# Altium PCB BLDC_v4.PcbDoc (part 2 of 2)
Units mm, origin at the board's own origin, x right, y up, seen from the top; angles counter-clockwise.
Board outline 87.47 x 56.26 mm, 4 copper layers (Top Layer, Layer 1, Layer 2, Bottom Layer), stack 1.369 mm thick; 153 components, 78 nets, 458 pads, 138 vias.
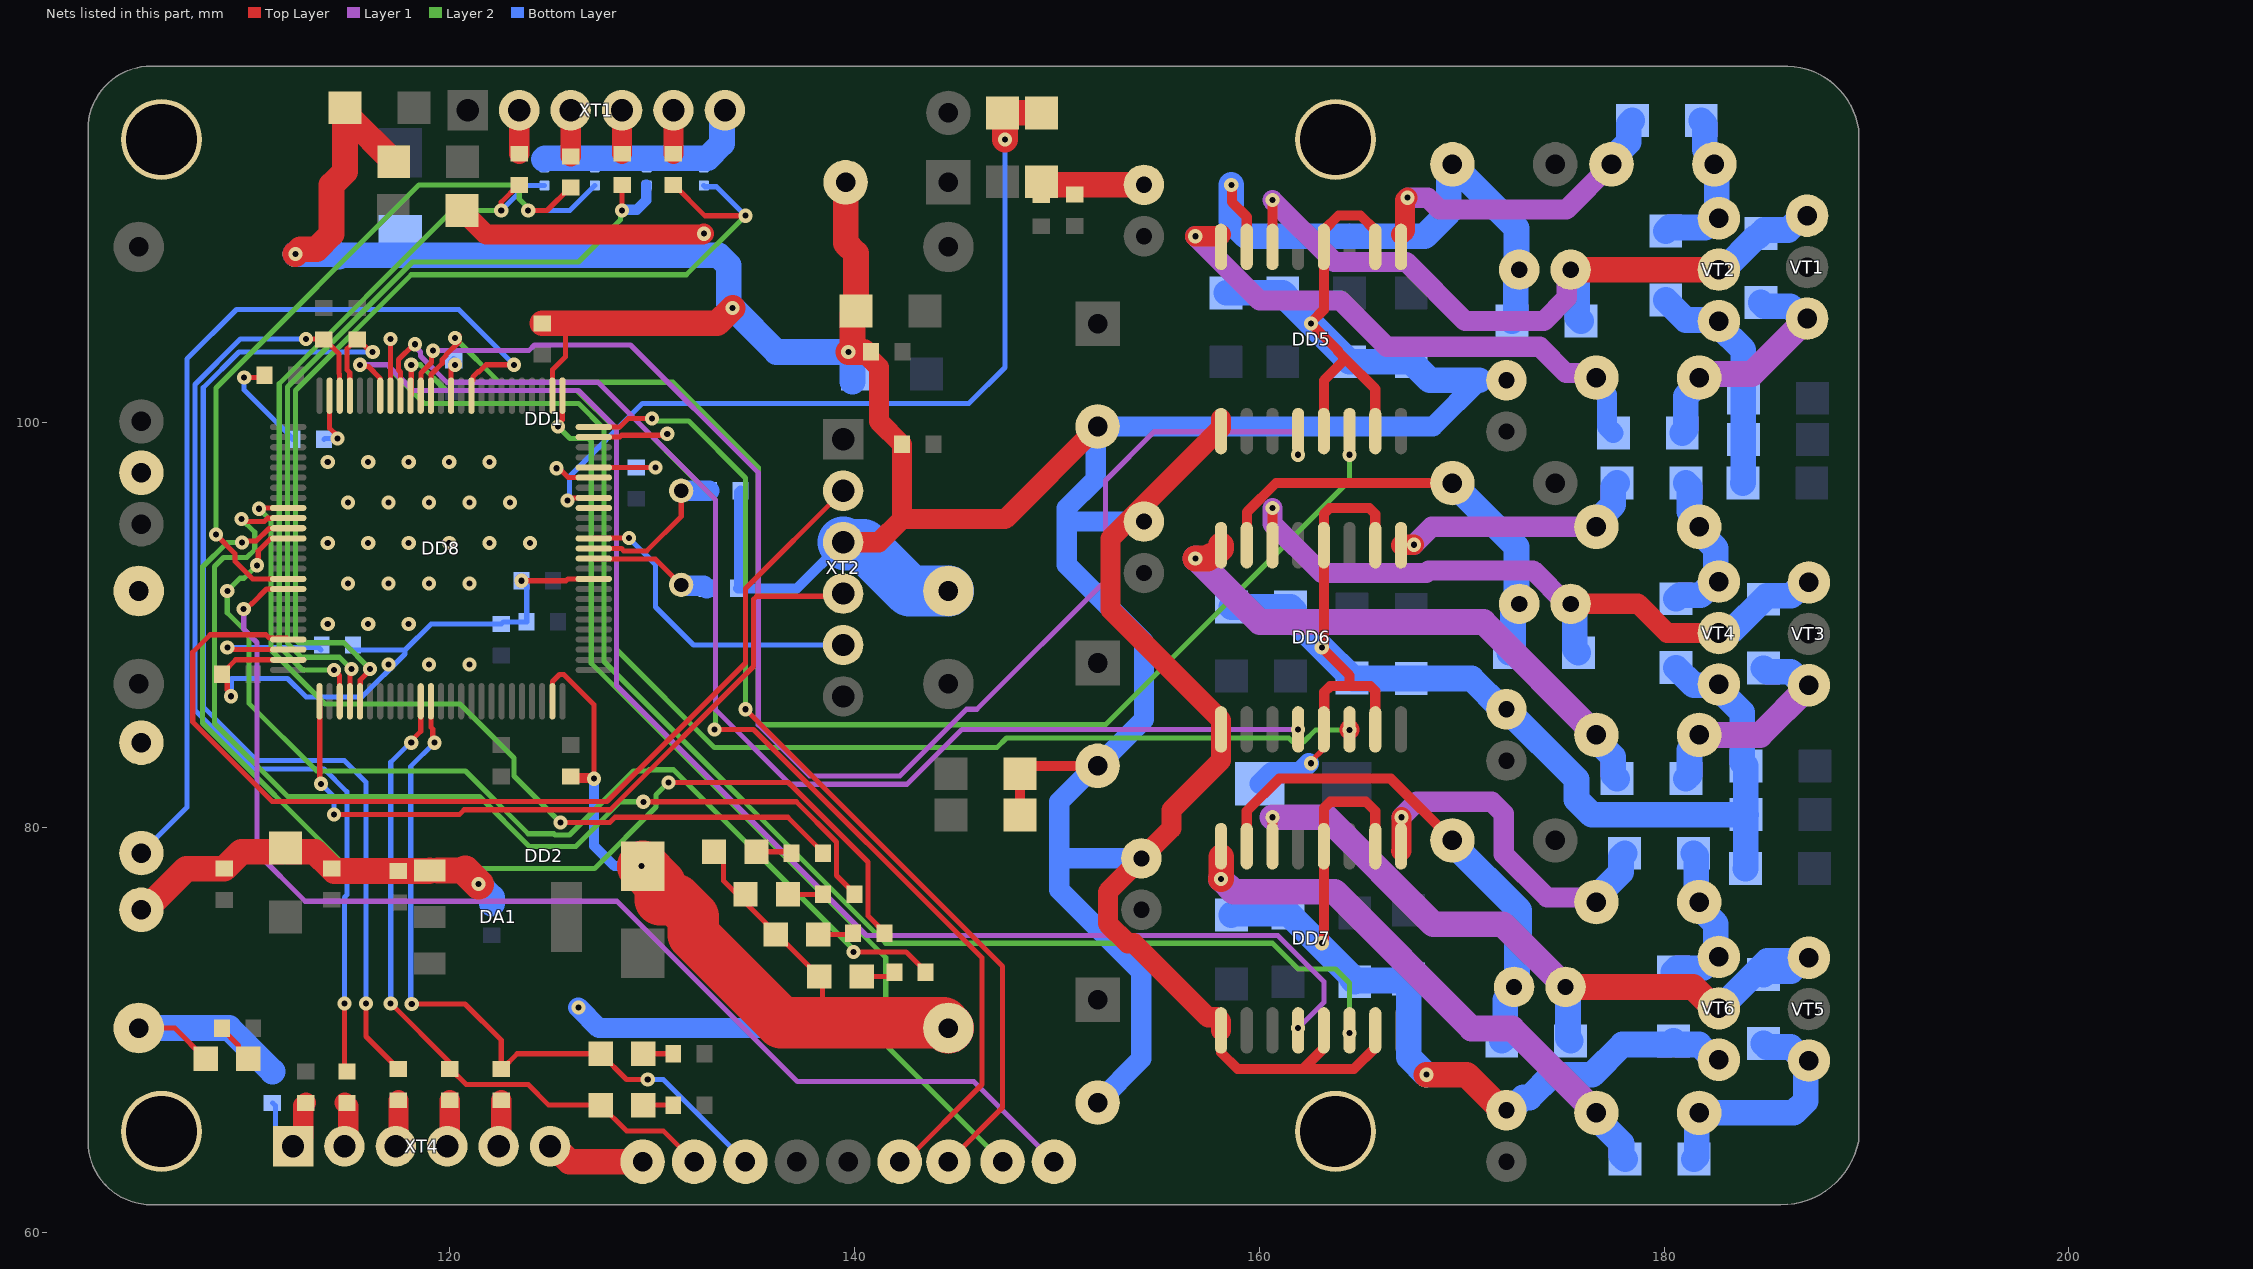
[diagram p4: the nets of this part, all layers, seen from the top]

## Via types
v1: diameter 0.7, hole 0.3, Top Layer to Bottom Layer, tented both sides, 135 vias
v2: diameter 0.7, hole 0.3, Top Layer to Bottom Layer, 3 vias

## Nets (pads, with @x,y where several pads share a name; then routed paths per layer and width w, separated by ;. In a path a pad name is that pad's centre, name@x,y a point inside that pad or via, vN(x,y) a via of type N, cw(c..) or ccw(c..) an arc to the next point about the centre after c; other vN are vias at no path point) (continued)
GND: C1.1 C2.2 C3.2 C4.1 C7.1 C8.2 C9.1 C10.2 C13.1 C14.2 C15.1 C16.2 C19.1 C20.2 C21.2 C22.1 C23.2 C24.1 C25.2 C26.1 C27.1 C28.1 C29.1 C30.1 C31.1 C32.1 C33.1 C34.1 C35.1 C36.1 C37.1 C38.1 C39.1 C40.1 C41.1 C42.1 C43.1 C44.1 C45.1 C46.1 C47.1 C48.1 C49.1 C50.1 C51.1 C52.1 C53.2 C54.2 C55.1 C56.1 C57.1 C58.1 C59.1 C60.2 C62.1 D1.2 D2.2 D3.2 D4.2 D5.2 D7.2 D8.2 D9.2 D10.2 DA1.1 DD1.1 DD1.2 DD2.1 DD2.2 DD5.2 DD5.4 DD5.9 DD5.13 DD5.15 DD6.2 DD6.4 DD6.9 DD6.13 DD6.15 DD7.2 DD7.4 DD7.9 DD7.13 DD7.15 DD8.10 DD8.20 DD8.27 DD8.74 DD8.99 pad. R4.2 R8.2 R12.2 R18.1 R28.1 VD1.1 VD15.1 VD16.1 VT2.3 VT4.3 VT6.3 XP2.1 XP5.1 XP15.1 XP19.1 XT1.6 XT2.3 XT4.6 | length 556
  Top Layer w0.254: DD2.2@104.648,70.104 106.426,70.104 D4.2@107.95,68.58 ; C29.1@108.755,87.572 108.755,87.611 C29.1@108.828,87.684 ; C29.1@108.755,87.757 C29.1@108.828,87.684 ; v1(109.212,86.494) 109.212,86.614 109.021,86.805 109.021,87.49 108.847,87.665 C29.1@108.828,87.684 ; v1(109.855,102.235) 110.731,102.235 C30.1@110.858,102.362 ; DD8.74@112.028,88.296 109.44,88.296 C29.1@108.828,87.684 ; v1(123.558,92.202) 125.753,92.202 125.847,92.296 DD8.10@127.128,92.296 ; DD8.99@125.078,86.246 125.087,86.255 125.087,87.226 125.433,87.572 125.644,87.572 127.137,86.079 v1(127.137,82.423) ; DD8.27@125.078,101.346 125.087,101.355 125.087,102.625 125.73,103.268 125.73,104.915 ; v1(125.289,97.757) 125.41,97.757 125.862,97.305 127.119,97.305 DD8.20@127.128,97.296 ; D1.2@133.062,78.816 133.535,78.343 133.535,77.379 D5.2@138.262,72.652 138.43,72.484 138.43,70.358 ; v1(162.56,83.185) 162.56,83.279 163.195,83.914 DD6.13@163.195,84.858
  Top Layer w0.5: C34.1@125.984,82.537 126.06,82.461 127.099,82.461 v1(127.137,82.423) ; C37.1@148.184,80.632 C59.1@148.184,82.664 148.578,83.058 C23.2@152.019,83.058 ; DD7.9@158.115,69.745 158.115,68.895 158.925,68.085 162.171,68.085 ; v1(163.093,74.295) 163.093,74.349 163.195,74.451 DD7.4@163.195,79.086 163.195,80.968 163.507,81.28 165.276,81.28 165.735,80.821 DD7.2@165.735,79.086 DD7.2@165.735,78.845 ; DD7.13@163.195,69.986 163.195,69.109 162.171,68.085 ; DD6.13@163.195,84.858 163.214,84.877 163.214,86.702 163.507,86.995 164.465,86.995 ; DD5.13@163.195,100.203 163.203,100.211 163.203,102.103 164.258,103.158 ; DD7.15@165.735,69.986 165.735,69.136 164.684,68.085 162.171,68.085 ; DD6.15@165.735,84.858 165.735,86.758 165.498,86.995 164.465,86.995 ; DD6.2@165.735,93.958 165.735,95.503 165.442,95.796 163.488,95.796 163.195,95.503 DD6.4@163.195,93.958 163.195,89.056 163.093,88.954 v1(163.093,88.9) 164.465,87.528 164.465,86.995 ; DD5.15@165.735,100.203 165.735,101.681 164.258,103.158 ; DD5.2@165.735,108.694 165.735,109.517 165.008,110.244 163.922,110.244 163.195,109.517 DD5.4@163.195,108.694 163.195,105.591 162.56,104.956 v1(162.56,104.902) 163.89,103.572 163.89,103.526 164.258,103.158
  Top Layer w1: C57.1@120.625,110.49 121.812,109.303 132.52,109.303 v1(132.564,109.347) ; XT2.3@139.446,94.107 141.211,94.107 142.354,95.25 ; C28.1@140.449,103.505 141.211,102.743 141.211,100.076 C41.1@142.354,98.933 142.354,95.25 ; C21.2@152.019,99.822 147.447,95.25 142.354,95.25 ; DD7.9@158.115,69.986 158.115,70.436 157.915,70.636 157.465,70.636 153.806,74.295 153.496,74.295 152.528,75.263 152.528,76.827 155.662,79.961 155.662,80.871 158.115,83.324 DD6.9@158.115,84.858 158.115,85.308 152.655,90.768 152.655,94.293 158.115,99.753 DD5.9@158.115,100.203
  Top Layer w1.27: XP5.1@104.775,75.946 104.961,75.946 106.993,77.978 C40.1@108.87,77.978 109.708,78.816 111.709,78.816 C62.1@111.887,78.994 112.065,78.816 113.348,78.816 C35.1@114.173,77.991 114.3,77.864 C42.1@117.475,77.864 119.001,77.864 DA1.1@119.028,77.89 ; v1(112.395,108.34) 112.64,108.585 113.429,108.585 114.173,109.329 114.173,111.747 114.833,112.408 C38.1@114.833,115.57 115.011,115.392 115.011,115.138 C58.1@117.246,112.903 ; DA1.1@119.417,77.882 120.772,77.882 ; C31.1@124.587,104.915 125.73,104.915 133.223,104.915 v1(133.985,105.677) ; XT4.6@124.968,64.262 125.166,64.262 125.928,63.5 XP15.1@129.54,63.5 ; C2.2@139.568,111.887 139.568,108.882 140.081,108.369 C36.1@140.081,105.537 139.903,105.359 139.903,103.708 v1(139.7,103.505) C28.1@140.449,103.505 ; R28.1@149.225,111.747 149.238,111.76 C8.2@154.305,111.76 ; v1(168.26,67.798) 170.256,67.798 172.014,66.04 C16.2@172.212,66.04
  Top Layer w1.5: 120.772,77.882 v2(121.437,77.216)
  Top Layer w2.54: VD16.1@129.54,78.096 130.42,77.216 130.42,76.441 131.203,76.441 132.035,75.609 132.035,74.721 136.398,70.358 138.43,70.358 144.394,70.358 DD2.1@144.648,70.104
  Bottom Layer w0.254: v1(109.212,86.494) 109.22,86.502 109.22,87.376 111.992,87.376 112.903,86.465 115.675,86.465 117.795,88.585 117.795,88.773 ; v1(109.855,102.235) 109.855,101.625 112.255,99.225 C56.1@112.255,99.187 ; C55.1@115.202,88.773 117.795,88.773 ; v1(123.558,92.202) 123.812,91.948 C32.1@123.812,90.17 122.669,90.17 R18.1@122.555,90.056 119.078,90.056 117.795,88.773 ; v1@162.454,83.117 162.492,83.117 v1(162.56,83.185)
  Bottom Layer w0.5: v1(127.137,82.423) 127.137,79.111 128.143,78.105 v1(129.488,78.105) ; C54.2@134.379,96.647 134.315,96.584 134.315,91.885 C53.2@134.252,91.821 137.16,91.821 XT2.3@139.446,94.107
  Bottom Layer w1: v1(126.365,71.12) 127.381,70.104 DD2.1@144.648,70.104 ; C25.2@152.019,66.421 154.178,68.58 154.178,72.873 150.12,76.931 150.12,78.74 ; C20.2@154.178,78.486 150.374,78.486 150.12,78.74 ; C14.2@154.305,95.123 150.495,95.123 ; VD15.1@160.029,82.169 160.604,82.744 162.013,82.744 v1@162.454,83.185 ; 170.871,102.108 168.585,99.822 C21.2@152.019,99.822 151.921,99.724 151.921,97.222 150.495,95.796 150.495,95.123 ; 150.12,78.74 150.12,81.28 151.898,83.058 C23.2@152.019,83.058 154.305,85.344 154.305,89.18 150.495,92.99 150.495,95.123
  Bottom Layer w1.27: DD2.2@104.648,70.104 109.106,70.104 C60.2@111.252,67.958 ; v1(112.395,108.34) 114.427,108.34 114.554,108.213 114.617,108.276 133.286,108.276 133.79,107.773 133.79,105.872 v1(133.985,105.677) 136.157,103.505 v1(139.7,103.505) 139.903,103.302 C1.1@139.903,102.032 ; v2(121.437,77.216) 122.098,76.556 C27.1@122.098,76.238 ; 124.663,113.03 124.714,113.081 132.74,113.081 133.464,113.805 133.464,115.303 XT1.6@133.604,115.443 ; C7.1@158.369,106.426 C45.1@161.163,106.426 161.341,106.248 161.341,106.147 C43.1@164.465,103.022 C4.1@167.513,103.022 168.427,102.108 170.871,102.108 ; C51.1@158.623,75.692 158.674,75.743 161.366,75.743 C19.1@161.417,75.794 164.541,72.669 164.541,72.568 C15.1@164.719,72.39 164.782,72.453 167.322,72.453 C49.1@167.386,72.517 167.386,68.672 v1(168.26,67.798) ; C13.1@158.623,90.907 C48.1@161.544,90.907 161.722,90.729 161.722,90.272 v1(163.093,88.9) C9.1@164.592,87.401 164.617,87.376 C46.1@167.513,87.376 170.49,87.376 172.014,85.852 C10.2@172.212,85.852 175.68,82.384 175.68,81.389 176.424,80.645 C50.1@184.036,80.645 ; C16.2@172.212,66.04 172.41,66.04 173.045,66.675 173.355,66.675 174.478,67.798 176.452,67.798 177.945,69.291 180.289,69.291 R12.2@180.467,69.469 180.645,69.291 181.731,69.291 182.485,68.537 VT6.3@182.71,68.537 ; R4.2@180.086,106.07 181.077,105.08 182.659,105.08 VT2.3@182.71,105.029 182.71,104.804 183.909,103.606 183.909,97.041 C47.1@183.896,97.028 ; R8.2@180.594,87.909 181.465,87.038 182.669,87.038 VT4.3@182.71,87.079 182.71,86.854 183.871,85.694 183.871,83.21 184.036,83.045 C50.1@184.036,80.645 ; C26.1@184.023,77.978 184.036,77.991 C50.1@184.036,80.645 ; C50.1@184.048,80.645 C50.1@184.036,80.645
  Bottom Layer w2.54: XT2.3@139.446,94.107 139.566,93.987 140.448,93.987 142.741,91.694 DD1.1@144.648,91.694
  other v1: 116.982,88.061 118.982,88.061 120.982,88.061 113.982,90.061 115.982,90.061 117.982,90.061 114.982,92.061 116.982,92.061 118.982,92.061 120.982,92.061 113.982,94.061 115.982,94.061 117.982,94.061 119.982,94.061 121.982,94.061 123.982,94.061 114.982,96.061 116.982,96.061 118.982,96.061 120.982,96.061 122.982,96.061 113.982,98.061 115.982,98.061 117.982,98.061 119.982,98.061 121.982,98.061
HIN_A: DD5.12 DD8.40 | length 72.4
  Top Layer w0.254: DD8.40@118.578,101.346 118.587,101.355 118.587,102.46 119.105,102.979 119.105,103.482 v1(119.191,103.567)
  Layer 1 w0.254: v1(119.191,103.567) 123.914,103.567 124.2,103.854 128.937,103.854 135.255,97.536 135.255,85.09 137.795,82.55 142.24,82.55 145.542,85.852 146.05,85.852 152.4,92.202 152.4,97.155 154.804,99.559 161.776,99.559 161.925,99.41 v1(161.925,98.425)
HIN_B: DD6.12 DD8.42 | length 63
  Top Layer w0.254: DD8.42@117.578,101.346 117.578,102.515 117.483,102.61 117.483,103.13 118.239,103.886 v1(118.3,103.886)
  Layer 1 w0.254: v1(118.3,103.886) 118.3,103.765 118.564,103.502 118.564,103.308 119.867,102.004 127.328,102.004 133.147,96.185 133.147,85.825 136.826,82.146 142.598,82.146 145.31,84.858 v1(161.925,84.858)
HIN_C: DD7.12 DD8.44 | length 72.6
  Top Layer w0.254: v1(115.57,102.87) 115.655,102.785 115.993,102.785 116.569,102.209 116.569,101.355 DD8.44@116.578,101.346
  Layer 1 w0.254: v1(115.57,102.87) 116.927,102.87 117.054,102.743 118.197,101.6 126.365,101.6 128.243,99.722 128.243,87.022 140.596,74.669 160.916,74.669 163.195,72.39 163.195,71.374 v1(161.925,70.104)
HO_A: DD5.8 R2.1 VD2.2 | length 27.1
  Top Layer w1: v1(156.845,109.22) 158.032,109.22 DD5.8@158.115,109.303
  Layer 1 w1: v1(156.845,109.22) 160.02,106.045 164.019,106.045 166.306,103.758 173.862,103.758 175.155,102.465 176.427,102.465 VD2.2@176.657,102.235
  Bottom Layer w1: VD2.2@176.657,102.235 176.657,101.91 177.182,101.385 177.182,99.817 R2.1@177.495,99.504
HO_C: DD7.8 R10.1 VD8.2 | length 27.3
  Top Layer w1.27: v1(158.115,77.47) 158.13,77.485 DD7.8@158.13,78.571
  Layer 1 w1.27: v1(158.115,77.47) 158.75,76.835 163.736,76.835 170.493,70.079 172.491,70.079 VD8.2@176.657,65.913
  Bottom Layer w1.27: VD8.2@176.657,65.913 176.657,65.661 177.902,64.417 177.902,63.805 R10.1@178.079,63.627
HO_GATE_A: R1.1 R2.2 VD2.1 VT1.1 | length 13
  Top Layer w1.27: VT1.1@186.912,105.315 VT1.1@187.071,105.156
  Layer 1 w1.27: VD2.1@181.737,102.235 181.915,102.413 184.328,102.413 VT1.1@187.071,105.156 VT1.1@187.071,105.41
  Bottom Layer w1.27: R2.2@180.899,99.504 181.077,99.682 181.077,101.323 181.737,101.983 VD2.1@181.737,102.235 VD2.1@181.989,102.235 ; R1.1@184.785,105.943 184.963,105.766 186.237,105.766 186.846,105.156 VT1.1@187.071,105.156
HO_GATE_B: R5.1 R6.2 VD5.1 VT3.1 | length 10.7
  Layer 1 w1.27: VD5.1@181.737,84.582 184.742,84.582 187.155,86.995 VT3.1@187.155,87.038
  Bottom Layer w1.27: R6.2@181.077,82.423 181.254,82.601 VD5.1@181.254,83.848 ; VD5.1@181.737,84.582 VD5.1@181.811,84.656 ; R5.1@184.912,87.884 185.09,87.706 186.262,87.706 186.93,87.038 VT3.1@187.155,87.038
HO_GATE_C: R9.1 R10.2 VD8.1 VT5.1 | length 12.5
  Bottom Layer w1.27: R10.2@181.483,63.627 181.61,63.754 181.61,65.786 VD8.1@181.737,65.913 186.411,65.913 186.996,66.498 186.996,68.337 VT5.1@187.155,68.496 186.93,68.496 186.262,69.164 185.09,69.164 R9.1@184.912,69.342
I2C2_SCL: DD8.47 R14.1 R21.1 | length 53.4
  Top Layer w0.254: DD8.47@115.078,101.346 115.069,101.355 115.069,102.484 114.943,102.61 114.943,103.665 115.405,104.127 115.481,104.127 116.103,103.505 v1(116.205,103.505) ; v1(115.875,71.323) 115.875,69.685 R21.1@117.475,68.085
  Bottom Layer w0.254: v1(115.875,71.323) 115.875,82.245 114.808,83.312 110.49,83.312 107.831,85.971 107.831,101.735 109.601,103.505 v1(116.205,103.505)
I2C2_SDA: DD8.48 R13.1 R20.1 | length 49.6
  Top Layer w0.254: v1(112.903,104.14) 113.779,104.14 R13.1@113.792,104.127 113.83,104.127 114.539,103.419 114.539,102.443 114.569,102.413 114.569,101.355 DD8.48@114.578,101.346 ; v1(114.808,71.323) 114.808,68.085 R20.1@114.935,67.958
  Bottom Layer w0.254: v1(112.903,104.14) 109.665,104.14 107.427,101.902 107.427,85.804 110.323,82.908 113.8,82.908 114.927,81.781 114.927,76.672 114.808,76.553 v1(114.808,71.323)
I_SENSE: DD8.17
LED3: DD8.60 R30.2 | length 52.2
  Top Layer w0.254: v1(109.728,95.25) 109.849,95.25 109.968,95.131 110.848,95.131 111.004,95.287 112.019,95.287 DD8.60@112.028,95.296 ; v1(129.574,81.28) 137.13,81.28 139.114,79.297 139.114,77.634 140.001,76.746 R30.2@140.001,76.708
  Layer 2 w0.254: v1(109.728,95.25) 110.377,94.601 110.377,93.738 109.982,93.343 108.837,93.343 108.394,92.9 108.394,85.154 112.006,81.542 121.475,81.542 123.942,79.075 126.232,79.075 128.437,81.28 v1(129.574,81.28)
LED4: DD8.59 R29.2 | length 40.8
  Top Layer w0.254: v1(110.588,95.758) 110.617,95.787 112.019,95.787 DD8.59@112.028,95.796 ; v1(125.476,80.264) 127.919,80.264 128.173,80.518 136.713,80.518 138.443,78.788 R29.2@138.443,78.75
  Layer 2 w0.254: v1(110.588,95.758) 111.183,95.163 111.183,88.783 113.852,86.114 120.513,86.114 123.182,83.445 123.182,82.558 v1(125.476,80.264)
LED5: DD8.61 R31.2 | length 56.2
  Top Layer w0.254: v1(109.75,94.083) 109.835,94.168 110.456,94.168 111.075,94.787 112.019,94.787 DD8.61@112.028,94.796 ; v1(130.81,82.234) 136.747,82.234 140.672,78.31 140.672,75.648 141.491,74.829 R31.2@141.491,74.79
  Layer 2 w0.254: v1(109.75,94.083) 109.005,94.083 107.8,92.878 107.8,85.177 114.999,77.978 127.159,77.978 130.201,81.02 130.201,81.625 v1(130.81,82.234)
LED7: DD8.62 R32.2 | length 52.2
  Top Layer w0.254: v1(110.49,92.964) 110.553,93.027 110.553,93.675 111.165,94.287 112.019,94.287 DD8.62@112.028,94.296 ; v1(139.954,73.858) 142.56,73.858 143.523,72.895 R32.2@143.523,72.857
  Layer 2 w0.254: v1(110.49,92.964) 109.847,92.321 109.648,92.321 v1(109.021,91.694) 109.021,90.623 110.086,89.558 110.086,86.147 113.437,82.796 120.792,82.796 123.886,79.702 125.151,79.702 125.216,79.637 125.922,79.637 129.089,82.804 129.794,82.804 129.851,82.861 131.07,82.861 139.954,73.977 v1(139.954,73.858)
LIN_A: DD5.14 DD8.39 | length 70.4
  Top Layer w0.254: DD8.39@119.078,101.346 119.087,101.355 119.087,102.389 119.64,102.942 119.64,103.13 119.818,103.308 119.818,103.356 v1@120.461,104 ; v1(120.267,104.194) 120.332,104.194 v1@120.472,104.334 ; v1(164.465,98.425) DD5.14@164.465,99.594
  Layer 2 w0.254: v1(120.267,104.194) 122.457,102.004 131.041,102.004 135.255,97.79 135.255,85.239 135.404,85.09 152.4,85.09 164.465,97.155 v1(164.465,98.425)
LIN_B: DD6.14 DD8.41 | length 62.6
  Top Layer w0.254: DD8.41@118.078,101.346 118.11,101.378 v1(118.11,102.87)
  Top Layer w1: v1(164.465,84.835) DD6.14@164.465,84.858
  Layer 2 w0.254: v1(118.11,102.87) 118.553,102.87 119.823,101.6 126.301,101.6 128.243,99.658 128.243,88.802 133.09,83.955 147.036,83.955 147.516,84.435 161.461,84.435 161.665,84.231 162.185,84.231 162.789,84.835 v1(164.465,84.835)
LIN_C: DD7.14 DD8.43 | length 73.7
  Top Layer w0.254: DD8.43@117.078,101.346 DD8.43@117.078,101.346 117.079,104.132 v1(117.087,104.14)
  Layer 2 w0.254: v1@117.087,103.893 v1(117.087,104.14) 117.087,102.623 118.745,100.965 126.365,100.965 127.635,99.695 127.635,88.209 141.549,74.295 160.655,74.295 161.925,73.025 163.77,73.025 164.465,72.33 v1(164.465,69.85)
LO_A: DD5.1 R3.1 VD3.2 | length 15.8
  Top Layer w1: DD5.1@167.005,109.303 167.205,109.503 167.205,111.008 v1(167.322,111.125)
  Layer 1 w1: v1(167.322,111.125) 168.324,111.125 168.91,110.539 175.169,110.539 VD3.2@177.405,112.776
  Bottom Layer w1.27: VD3.2@177.405,112.776 177.405,113.028 178.257,113.879 178.257,114.757 R3.1@178.435,114.935
LO_B: DD6.1 R7.1 VD6.2 | length 12.6
  Top Layer w1: DD6.1@167.005,93.958 167.027,93.98 v1(167.64,93.98)
  Layer 1 w1: v1(167.64,93.98) 168.529,94.869 VD6.2@176.657,94.869
  Bottom Layer w1.27: VD6.2@176.657,94.869 176.657,95.121 177.495,95.959 177.495,96.85 R7.1@177.673,97.028
LO_C: DD7.1 R11.1 VD9.2 | length 17.8
  Top Layer w1: DD7.1@167.005,78.845 167.027,78.867 v1(167.027,80.518)
  Layer 1 w1: v1(167.027,80.518) 167.789,81.28 171.499,81.28 172.085,80.694 172.085,78.691 174.219,76.557 176.427,76.557 VD9.2@176.657,76.327
  Bottom Layer w1.27: VD9.2@176.657,76.327 176.657,76.579 177.876,77.798 177.876,78.562 R11.1@178.054,78.74
LO_GATE_A: R3.2 R4.1 VD3.1 VT2.1 | length 6.3
  Bottom Layer w1.27: R4.1@180.086,109.474 180.264,109.652 VT2.1@182.028,109.652 ; R3.2@181.839,114.935 182.016,114.757 VD3.1@182.016,113.497 ; VD3.1@182.485,112.776 182.598,112.664 182.598,110.221 VT2.1@182.71,110.109
LO_GATE_B: R7.2 R8.1 VD6.1 VT4.1 | length 7.1
  Bottom Layer w1.27: R8.1@180.594,91.313 180.772,91.491 181.817,91.491 182.485,92.159 VT4.1@182.71,92.159 182.551,92.318 182.551,93.803 181.737,94.617 VD6.1@181.737,94.869 ; R7.2@181.077,97.028 181.254,96.85 VD6.1@181.254,95.603
LO_GATE_C: R11.2 R12.1 VD9.1 VT6.1 | length 8.2
  Bottom Layer w1.27: R12.1@180.467,72.873 180.645,73.05 181.919,73.05 182.485,73.617 VT6.1@182.71,73.617 182.551,73.776 182.551,75.261 181.737,76.075 VD9.1@181.737,76.327 181.597,76.467 181.597,78.6 R11.2@181.458,78.74
NetC53_1: C53.1 DD8.12 ZQ1.2 | length 6.2
  Top Layer w0.254: DD8.12@127.128,93.296 127.15,93.274 130.168,93.274 ZQ1.2@131.445,91.997
  Bottom Layer w1: ZQ1.2@131.445,91.997 131.483,91.959 132.564,91.959 C53.1@132.702,91.821
NetC54_1: C54.1 DD8.13 ZQ1.1 | length 7.7
  Top Layer w0.254: DD8.13@127.128,93.796 128.492,93.796 128.611,93.678 129.744,93.678 131.445,95.379 ZQ1.1@131.445,96.647
  Bottom Layer w1: ZQ1.1@131.445,96.647 C54.1@132.829,96.647
NetC55_2: C55.2 DD8.73 | length 7.7
  Top Layer w0.254: v1(109.021,88.9) 109.142,88.9 109.246,88.796 DD8.73@112.028,88.796
  Bottom Layer w0.254: v1(109.021,88.9) 113.525,88.9 C55.2@113.652,88.773
NetC56_2: C56.2 DD8.49 | length 3
  Top Layer w0.254: DD8.49@114.078,101.346 114.078,99.732 114.464,99.346 v1(114.464,99.225)
  Bottom Layer w0.254: C56.2@113.805,99.187 113.843,99.225 v1(114.464,99.225)
NetC60_1: C60.1 R19.2 XT4.1 | length 5
  Top Layer w1: XT4.1@112.268,64.262 112.768,64.762 112.768,66.273 R19.2@112.903,66.408
  Bottom Layer w0.254: C60.1@111.252,66.408 111.395,66.265 111.395,65.135 XT4.1@112.268,64.262
NetD1_1: D1.1 R29.1 | length 1.8
  Top Layer w0.254: D1.1@135.162,78.816 136.827,78.816 R29.1@136.893,78.75
NetD2_1: D2.1 R30.1 | length 1.7
  Top Layer w0.254: D2.1@136.72,76.708 R30.1@138.451,76.708
NetD3_1: D3.1 R31.1 | length 1.8
  Top Layer w0.254: D3.1@138.21,74.721 139.872,74.721 R31.1@139.941,74.79
NetD4_1: D4.1 R36.1 | length 2.1
  Top Layer w0.254: R36.1@108.755,70.104 108.755,70.066 109.577,69.243 109.577,69.053 D4.1@110.05,68.58
NetD4_TX_1: D4_TX.1 R34.1 | length 1.5
  Top Layer w0.254: D4_TX.1@129.574,66.294 R34.1@131.051,66.294
NetD5_1: D5.1 R32.1 | length 1.7
  Top Layer w0.254: D5.1@140.362,72.652 141.769,72.652 R32.1@141.973,72.857
NetD6_RX_1: D6_RX.1 R35.1 | length 1.5
  Top Layer w0.254: D6_RX.1@129.574,68.834 R35.1@131.051,68.834
NetDD6_8: DD6.8 R6.1 VD5.2 | length 27.7
  Top Layer w1.27: v1(156.845,93.296) 157.453,93.296 157.6,93.443 157.78,93.443 158.115,93.778 DD6.8@158.115,93.958
  Layer 1 w1.27: v1(156.845,93.296) 156.894,93.296 160.028,90.162 171.077,90.162 VD5.2@176.657,84.582
  Bottom Layer w1.27: VD5.2@176.657,84.582 176.657,84.33 177.495,83.492 177.495,82.601 R6.1@177.673,82.423
NetDD8_21: DD8.21 R16.2 | length 4
  Top Layer w0.254: DD8.21@127.128,97.796 127.131,97.793 130.172,97.793 v1(130.175,97.79)
  Bottom Layer w0.254: R16.2@129.221,97.803 130.162,97.803 v1(130.175,97.79)
NetDD8_37: DD8.37 R15.2 | length 2.3
  Top Layer w0.254: DD8.37@120.078,101.346 120.078,102.681 v1(120.267,102.87)
  Bottom Layer w0.254: R15.2@120.201,103.073 120.306,103.073 120.205,103.174 120.078,103.047 120.255,102.87 v1(120.267,102.87)
NetR20_2: R20.2 XT4.2 | length 2.3
  Top Layer w1: XT4.2@114.808,64.262 114.999,64.453 114.999,66.237 R20.2@114.828,66.408
NetR21_2: R21.2 XT4.3 | length 2.3
  Top Layer w1: XT4.3@117.348,64.262 117.475,64.389 R21.2@117.475,66.535
NetR22_1: R22.1 XT1.2 | length 2.1
  Top Layer w1: R22.1@123.444,113.297 XT1.2@123.444,115.443
NetR23_1: R23.1 XT1.3 | length 2.3
  Top Layer w1: R23.1@125.984,113.17 XT1.3@125.984,115.443
NetR24_1: R24.1 XT1.4 | length 2.1
  Top Layer w1: R24.1@128.524,113.297 XT1.4@128.524,115.443
NetR25_1: R25.1 XT1.5 | length 2.1
  Top Layer w1: R25.1@131.064,113.297 XT1.5@131.064,115.443
NetR26_1: R26.1 XT4.5 | length 2.3
  Top Layer w1: XT4.5@122.428,64.262 122.555,64.389 R26.1@122.555,66.535
NetR33_1: R33.1 XT4.4 | length 2.3
  Top Layer w1: XT4.4@119.888,64.262 120.015,64.389 R33.1@120.015,66.535
PA8: DD8.67 XP10.1 | length 60.6
  Top Layer w0.254: v1(109.831,90.81) 109.951,90.81 110.209,91.067 110.242,91.067 110.962,91.787 112.019,91.787 DD8.67@112.028,91.796
  Layer 1 w0.254: v1(109.831,90.81) 109.831,89.813 110.49,89.154 110.49,78.75 112.87,76.37 128.27,76.37 137.186,67.454 145.906,67.454 XP10.1@149.86,63.5
PHASE_A: C5.1 C6.2 DD5.6 R1.2 VT1.3 VT2.2 | length 36.2
  Top Layer w0.5: DD5.6@160.655,109.303 v1(160.655,111.008)
  Top Layer w1.27: C6.2@175.387,107.569 VT2.2@182.71,107.569
  Layer 1 w1: v1(160.655,111.008) 163.713,107.95 167.259,107.95 170.18,105.029 174.052,105.029 175.196,106.173 175.196,107.378 C6.2@175.387,107.569
  Bottom Layer w1.27: C6.2@175.387,107.569 175.387,107.371 175.717,107.041 175.717,105.207 C5.1@175.895,105.029 ; VT2.2@182.71,107.569 182.935,107.569 184.535,109.169 184.607,109.169 R1.2@184.785,109.347 184.963,109.525 186.135,109.525 186.846,110.236 VT1.3@187.071,110.236
PHASE_A_STM: DD8.24 XP7.1 | length 49.9
  Top Layer w0.254: DD8.24@127.128,99.296 128.409,99.296 128.505,99.392 130.688,99.392 v1(130.758,99.461) ; v1(133.096,84.858) 135.016,84.858 146.301,73.573 146.301,67.312 142.489,63.5 XP7.1@142.24,63.5
  Layer 2 w0.254: v1(130.758,99.461) 130.672,99.376 130.263,99.376 130.109,99.223 131.265,98.067 133.147,96.185 133.147,84.909 v1(133.096,84.858)
PHASE_B: C11.1 C12.2 DD6.6 R5.2 VT3.3 VT4.2 | length 35.1
  Top Layer w0.5: DD6.6@160.655,93.958 v1(160.655,95.796)
  Top Layer w1: C12.2@175.387,91.059 178.72,91.059 180.16,89.619 VT4.2@182.71,89.619
  Layer 1 w1: v1(160.655,95.796) 160.655,95.021 163.093,92.583 168.249,92.583 168.375,92.709 173.53,92.709 175.18,91.059 C12.2@175.387,91.059
  Bottom Layer w1.27: C12.2@175.387,91.059 175.387,90.861 175.59,90.658 175.59,88.824 C11.1@175.768,88.646 ; VT4.2@182.71,89.619 182.869,89.778 183.402,89.778 R5.2@184.912,91.288 185.09,91.465 186.278,91.465 186.93,92.118 VT3.3@187.155,92.118
PHASE_B_STM: DD8.25 XP8.1 | length 49.1
  Top Layer w0.254: DD8.25@127.128,99.796 128.409,99.796 128.822,100.209 v1(130.01,100.209) ; v1(134.62,85.852) 147.32,73.152 147.32,66.172 XP8.1@144.648,63.5
  Layer 2 w0.254: v1(130.01,100.209) 130.01,100.088 131.814,100.088 134.62,97.282 v1(134.62,85.852)
PHASE_C: C17.1 C18.2 DD7.6 R9.2 VT5.3 VT6.2 | length 38.2
  Top Layer w0.5: DD7.6@160.655,79.086 v1(160.655,80.518)
  Top Layer w1.27: C18.2@175.133,72.136 181.426,72.136 182.485,71.077 VT6.2@182.71,71.077
  Layer 1 w1.27: v1(160.655,80.518) 163.322,80.518 168.604,75.236 172.033,75.236 C18.2@175.133,72.136
  Bottom Layer w1.27: C18.2@175.133,72.136 175.26,72.009 175.26,69.596 C17.1@175.387,69.469 ; VT6.2@182.71,71.077 182.765,71.077 185.105,73.417 VT5.3@186.772,73.417 ; R9.2@184.912,72.746 185.09,72.923 186.278,72.923 VT5.3@186.772,73.417 ; VT5.3@186.772,73.417 186.996,73.417 VT5.3@187.155,73.576 186.93,73.576 VT5.3@186.772,73.417
PHASE_C_STM: DD8.26 XP9.1 | length 47.6
  Top Layer w0.254: v1(125.362,99.822) 125.362,99.943 125.569,100.15 125.569,101.337 DD8.26@125.578,101.346
  Layer 2 w0.254: v1(125.362,99.822) 125.959,99.225 126.851,99.225 127,99.077 127,88.124 141.549,73.576 141.549,69.271 XP9.1@147.32,63.5
R_SPEED: DD8.35 XP4.1 | length 46.1
  Top Layer w0.254: DD8.35@121.151,102.108 121.151,102.273 121.401,102.523 121.452,102.523 121.799,102.87 v1(123.19,102.87)
  Bottom Layer w0.254: XP4.1@104.775,78.75 107.023,80.998 107.023,103.149 109.476,105.602 120.458,105.602 v1(123.19,102.87)
RESET: DD8.14 XT2.5 | length 15.7
  Top Layer w0.254: DD8.14@127.128,94.296 127.137,94.305 v1(128.87,94.305)
  Bottom Layer w0.254: v1(128.87,94.305) 130.175,93 130.175,90.907 132.055,89.027 XT2.5@139.446,89.027
RX: D6_RX.2 DD8.87 R26.2 XP16.1 | length 36.7
  Top Layer w0.254: v1(118.135,71.296) 120.767,71.296 122.555,69.508 R26.2@122.555,68.085 122.593,68.085 123.342,68.834 D6_RX.2@127.474,68.834 128.744,67.564 v1(129.794,67.564) ; DD8.87@119.078,86.246 119.078,84.965 119.168,84.875 119.168,84.286 v1(119.253,84.201)
  Bottom Layer w0.254: v1(118.135,71.296) 118.085,71.346 118.085,83.033 v1(119.253,84.201) ; v1(129.794,67.564) 130.556,67.564 XP16.1@134.62,63.5
SPI3_CS: D8.1 DD8.66 R23.2 | length 38.8
  Top Layer w0.254: v1(108.458,94.488) 109.407,93.539 109.407,93.16 110.271,92.296 DD8.66@112.028,92.296 ; v1(123.887,110.49) 124.816,110.49 125.946,111.62 R23.2@125.984,111.62
  Layer 2 w0.254: v1(108.458,94.488) 108.458,101.725 118.493,111.76 123.19,111.76 123.442,111.508 123.442,111.055 123.887,110.611 v1(123.887,110.49)
  Bottom Layer w0.254: v1(123.887,110.49) 125.94,110.49 D8.1@127.178,111.728
SPI3_MISO: D9.1 DD8.79 R24.2 | length 41.9
  Top Layer w0.254: DD8.79@115.078,86.246 115.087,86.255 115.087,87.778 v1(115.15,87.841) ; R24.2@128.524,111.747 v1(128.524,110.49) v1@128.609,110.575
  Layer 2 w0.254: v1(115.15,87.841) 114.568,88.423 112.685,88.423 111.991,89.117 111.991,101.77 118.171,107.95 126.365,107.95 128.439,110.024 128.439,110.405 v1(128.524,110.49)
  Bottom Layer w0.5: v1(128.524,110.49) 128.562,110.528 129.248,110.528 129.718,110.998 D9.1@129.718,111.767
SPI3_MOSI: D10.1 DD8.80 R25.2 | length 51.1
  Top Layer w0.254: DD8.80@115.578,86.246 115.587,86.255 115.587,87.298 116.078,87.79 v1(116.078,87.841) ; R25.2@131.064,111.747 131.102,111.747 132.613,110.236 v1(134.62,110.236)
  Layer 2 w0.254: v1(116.078,87.841) 114.783,89.136 112.544,89.136 112.395,89.285 112.395,101.6 118.11,107.315 131.699,107.315 v1(134.62,110.236)
  Bottom Layer w0.254: D10.1@132.563,111.728 132.628,111.662 133.194,111.662 v1(134.62,110.236)
SPI3_SCK: D7.1 DD8.78 R22.2 | length 36.6
  Top Layer w0.254: v1(114.3,87.796) 114.569,87.527 114.569,86.255 DD8.78@114.578,86.246 ; v1(122.555,110.49) 122.555,110.896 123.406,111.747 R22.2@123.444,111.747
  Layer 2 w0.254: v1(114.3,87.796) 112.741,87.796 111.587,88.95 111.587,101.937 120.14,110.49 v1(122.555,110.49)
  Bottom Layer w0.254: v1(122.555,110.49) 123.793,111.728 D7.1@124.689,111.728
SWDCLK: DD8.76 XT2.4 | length 37.5
  Top Layer w0.254: DD8.76@113.578,86.246 113.587,86.237 113.587,82.234 v1(113.652,82.169) ; v1(114.3,80.645) 120.479,80.645 120.725,80.891 127.944,80.891 135.024,87.971 135.024,91.284 135.173,91.433 139.312,91.433 XT2.4@139.446,91.567
  Bottom Layer w0.254: v1(113.652,82.169) 114.3,81.521 v1(114.3,80.645)
SWDIO: DD8.72 XT2.2 | length 50.9
  Top Layer w0.254: DD8.72@112.028,89.296 111.955,89.369 111.101,89.369 110.935,89.535 108.181,89.535 107.315,88.669 107.315,85.217 111.237,81.295 127.777,81.295 134.62,88.138 134.62,91.821 XT2.2@139.446,96.647
TX: D4_TX.2 DD8.86 R33.2 XP14.1 | length 34
  Top Layer w0.254: v1(117.094,71.323) 120.015,68.402 R33.2@120.015,68.085 120.053,68.085 120.826,67.312 122.877,67.312 122.879,67.31 123.887,67.31 124.903,66.294 D4_TX.2@127.474,66.294 128.744,65.024 130.556,65.024 XP14.1@132.08,63.5 ; v1(118.11,84.201) 118.11,84.299 118.578,84.767 DD8.86@118.578,86.246
  Bottom Layer w0.254: v1(117.094,71.323) 117.094,83.236 118.059,84.201 v1(118.11,84.201)
V_SENSE: DD8.18 R27.1 R28.2 | length 40.9
  Top Layer w0.254: v1(125.832,96.169) 125.952,96.169 126.071,96.287 127.119,96.287 DD8.18@127.128,96.296
  Top Layer w1.27: v1(147.447,114) 147.447,115.189 R27.1@147.32,115.316 R28.2@149.238,115.316
  Bottom Layer w0.254: v1(125.832,96.169) 125.832,96.29 125.928,96.386 125.928,97.353 129.54,100.965 145.669,100.965 147.447,102.743 v1(147.447,114)
VB_A: C5.2 C6.1 DD5.7 VD10.2 | length 27.8
  Top Layer w0.5: v1(158.623,111.76) 158.661,111.722 158.661,110.904 159.385,110.18 DD5.7@159.385,109.303
  Bottom Layer w1.27: v1(158.623,111.76) 158.623,109.964 159.367,109.22 168.173,109.22 169.367,110.414 169.367,112.598 VD10.2@169.545,112.776 172.707,109.614 172.707,107.709 C6.1@172.847,107.569 172.847,107.371 172.669,107.194 172.669,105.207 C5.2@172.491,105.029
VB_B: C11.2 C12.1 DD6.7 VD11.2 | length 22.3
  Top Layer w0.5: DD6.7@159.385,93.958 159.404,93.977 159.404,95.606 160.826,97.028 VD11.2@169.545,97.028
  Bottom Layer w1.27: VD11.2@169.545,97.028 172.707,93.866 172.707,91.199 C12.1@172.847,91.059 172.847,90.861 172.542,90.557 172.542,88.824 C11.2@172.364,88.646
VB_C: C17.2 C18.1 DD7.7 VD12.2 | length 25.5
  Top Layer w0.5: DD7.7@159.385,79.086 159.385,80.821 160.987,82.423 166.497,82.423 VD12.2@169.545,79.375
  Bottom Layer w1.27: VD12.2@169.545,79.375 169.545,79.223 172.847,75.921 172.847,74.651 172.733,74.536 172.733,72.276 C18.1@172.593,72.136 172.593,71.938 172.161,71.507 172.161,69.647 C17.2@171.983,69.469
pads on no net: DD5.5 DD5.10 DD5.16 DD6.5 DD6.10 DD6.16 DD7.5 DD7.10 DD7.16 DD8.1 DD8.2 DD8.3 DD8.4 DD8.5 DD8.7 DD8.8 DD8.9 DD8.23 DD8.29 DD8.30 DD8.31 DD8.32 DD8.33 DD8.34 DD8.38 DD8.45 DD8.46 DD8.51 DD8.52 DD8.53 DD8.54 DD8.55 DD8.56 DD8.57 DD8.58 DD8.63 DD8.64 DD8.65 DD8.68 DD8.69 DD8.70 DD8.71 DD8.77 DD8.81 DD8.82 DD8.83 DD8.84 DD8.85 DD8.88 DD8.89 DD8.90 DD8.91 DD8.92 DD8.93 DD8.95 DD8.96 DD8.97 DD8.98 XT2.6

## Polygon pours and split planes (outlines as drawn)
PHASE_C on Bottom Layer "Bottom Layer-No Net 2" (solid, pour order 6): 190.5,60.96 190.5,76.441 170.18,76.441 170.18,60.96
PHASE_B on Bottom Layer "Bottom Layer-No Net 3" (solid, pour order 2): 190.5,96.296 169.769,96.296 170.18,95.885 170.18,84.858 190.5,84.858
PHASE_A on Bottom Layer "Bottom Layer-No Net 4" (solid, pour order 0): 190.5,119.38 170.18,119.38 170.18,105.677 170.535,105.677 172.326,103.886 190.5,103.886
GND on Bottom Layer "Bottom Layer-No Net" (solid, remove dead copper, pour order 22): 111.767,101.614 127,101.614 127,86.381 111.767,86.381
+36V_I on Bottom Layer "Bottom Layer-No Net 1" (solid, pour order 14): 147.32,107.569 147.353,107.536 154.94,107.536 154.94,102.108 149.86,102.108 149.86,90.454 154.305,90.454 154.305,85.539 149.86,85.539 149.86,73.66 154.856,73.66 154.94,73.576 154.94,69.339 149.86,69.339 149.86,60.96 147.32,60.96
GND on Top Layer "Top Layer-No Net" (solid, pour order 18): 111.76,101.593 126.993,101.593 126.993,86.36 111.76,86.36
GND on Layer 1 "Layer 1-No Net 3" (solid, pour order 12): 190.5,119.38 147.32,119.38 147.32,60.96 190.5,60.96
GND on Layer 1 "Layer 1-No Net" (solid, pour order 26): 101.6,118.11 102.235,117.475 135.255,117.475 135.255,84.455 146.05,73.66 146.05,61.595 101.6,61.595
GND on Layer 1 "Layer 1-No Net 1" (solid, pour order 24): 135.89,117.475 146.685,117.475 146.685,107.256 143.569,104.14 135.89,104.14
GND on Layer 1 "Layer 1-No Net 2" (solid, pour order 20): 111.767,101.607 127,101.607 127,86.374 111.767,86.374
+36V_I on Layer 2 "Layer 2-No Net" (solid, pour order 28): 189.865,118.11 148.59,118.11 148.59,108.458 142.24,102.108 142.24,60.325 189.865,60.325
GND on Layer 2 "Layer 2-No Net 1" (solid, pour order 16): 111.767,101.607 127,101.607 127,86.374 111.767,86.374

## Keep-outs
Keep-Out Layer:
  the board outline again, w0.254

## Other copper
Bottom Layer:
  pour cut-out: 122.174,87.885 125.791,87.885 125.791,92.788 124.574,92.824 122.174,92.788 122.174,90.424

## Silkscreen, mask and mechanical layers (free items; w line width, h text height)
Top Overlay:
  text "SPI" at 135.331,114.3 h0.76
  text "I2C / UART" at 107.874,61.798 h0.76
Mechanical 16:
  lines w0.127: -5.08,43.18 0,43.18 ; -5.08,91.44 0,91.44 ; -5.08,139.7 0,139.7 ; 67.945,-5.08 67.945,0 ; 67.945,182.88 67.945,187.96 ; 132.08,0 167.64,0 ; 140.97,-5.08 140.97,0 ; 140.97,182.88 140.97,187.96 ; 167.64,7.62 281.94,7.62 ; 167.64,15.24 281.94,15.24 ; 167.64,22.86 205.74,22.86 ; 205.74,0 205.74,15.24 205.74,30.48 ; 213.995,-5.08 213.995,0 ; 213.995,182.88 213.995,187.96 ; 259.08,0 259.08,15.24 ; 281.94,43.18 287.02,43.18 ; 281.94,91.44 287.02,91.44 ; 281.94,139.7 287.02,139.7 ; 167.64,0 167.64,30.48 205.74,30.48 ; 167.64,0 281.94,0 ; 205.74,30.48 281.94,30.48 281.94,0 ; 281.94,0 281.94,182.88 0,182.88 0,0 281.94,0 ; -5.08,-5.08 -5.08,187.96 287.02,187.96 287.02,-5.08 -5.08,-5.08
  text "1" at 31.166,184.531 h0.76
  text "2" at 103.81,184.531 h0.76
  text "3" at 176.962,184.531 h0.76
  text "4" at 249.86,184.531 h0.76
  text "A" at -3.175,161.519 h0.76
  text "A" at 283.845,161.519 h0.76
  text "B" at -3.175,113.462 h0.76
  text "B" at 283.845,113.462 h0.76
  text "C" at -3.175,64.948 h0.76
  text "C" at 283.845,64.948 h0.76
  text "ENGINEER:" at 168.91,27.94 h0.76
  text "TITLE:" at 207.01,27.94 h0.76
  text "'.mProjectAuthor'" at 179.832,25.527 h0.76
  text "'.mProjectName'" at 231.775,22.098 h0.76
  text "PCB DESIGNER:" at 168.91,20.447 h0.76
  text "D" at -3.175,16.942 h0.76
  text "D" at 283.845,16.942 h0.76
  text "DATE:" at 168.91,12.7 h0.76
  text "PART NO.:" at 207.01,12.7 h0.76
  text "REV:" at 260.35,12.7 h0.76
  text "'.mProjectVersion'" at 265.049,10.414 h0.76
  text ".PRINT_DATE" at 170.18,9.652 h0.76
  text "FILE NAME:" at 168.91,5.08 h0.76
  text "DWG NO:" at 207.01,5.08 h0.76
  text "SCALE:" at 260.35,5.08 h0.76
  text "'.mProjectRevision'" at 265.176,2.286 h0.76
  text ".PCB_FILE_NAME_NO_PATH" at 170.18,2.032 h0.76
  text "1" at 31.166,-3.429 h0.76
  text "2" at 103.81,-3.429 h0.76
  text "3" at 176.962,-3.429 h0.76
  text "4" at 249.86,-3.429 h0.76